# Altium PCB MIRA220CSP.PcbDoc (continued)
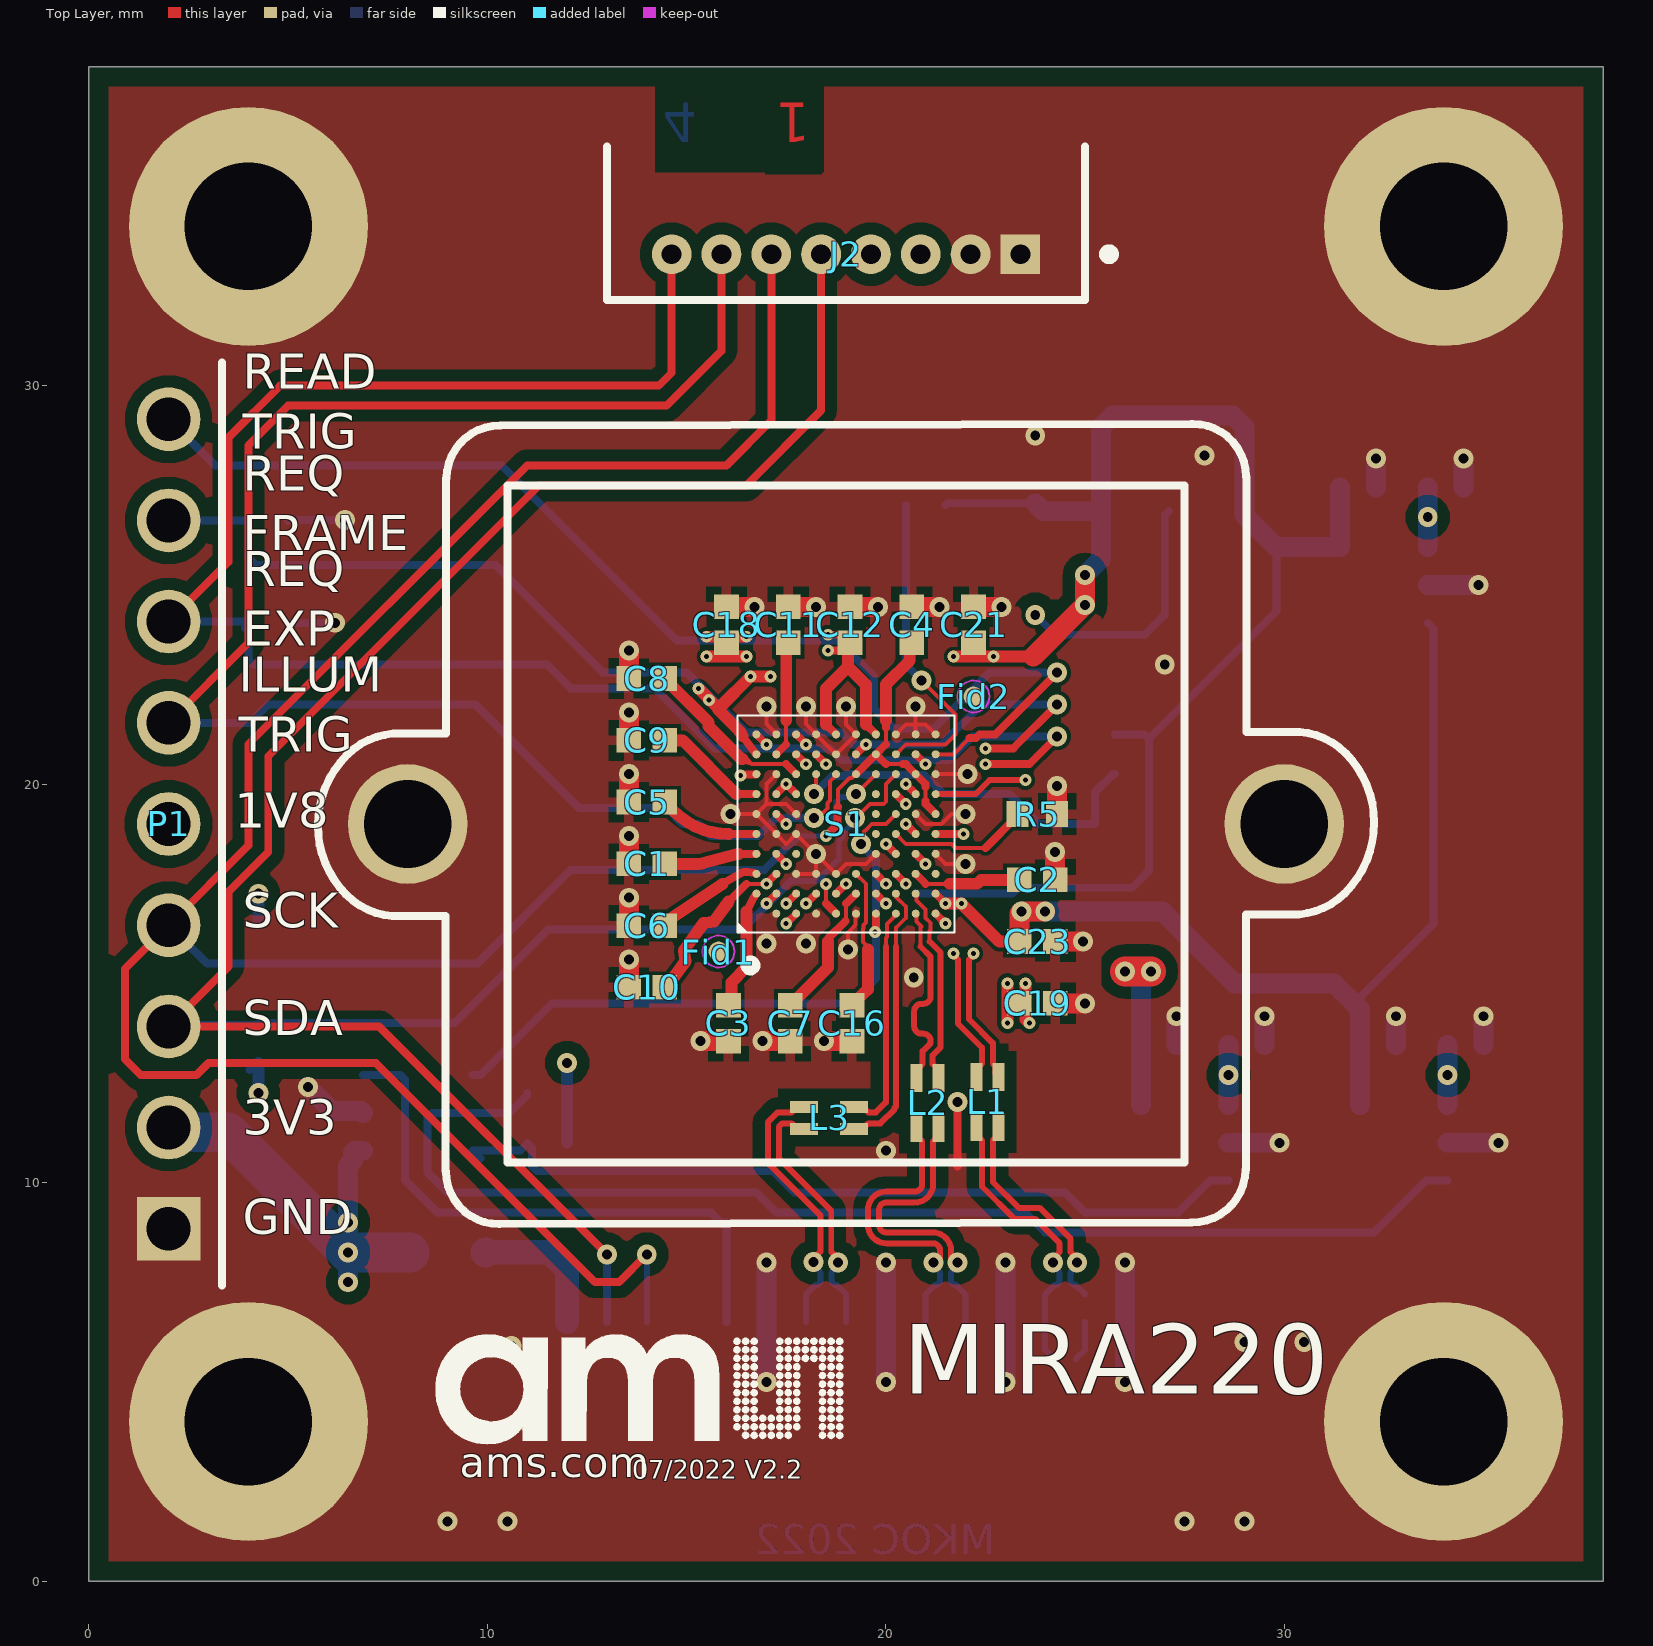
[diagram p0: Top Layer view]
## Footprints (in the part's own frame and the unit in brackets; to place one, negate y for a bottom-side part, rotate by r counter-clockwise, add the part's x,y. Pads: shape width x height; smd on the part's side, far side on the other; paste and mask are expansions set on the pad)
2.5X2_OSC [mm] "Epson SG-211 series"
  rect 1.1x0.9 smd: 1(-0.85,-0.65) 2(0.85,-0.65) 3(0.85,0.65) 4(-0.85,0.65)
  silkscreen extent -1.8,-1.6 1.25,1, body extent -1.25,-1 1.25,1, height 0.79
61300911121 [mm] "Pin Header, pitch 2.54 mm, THT, Vertical, single row, 9p"
  rect 1.6x1.6 hole 1.1: 1(-10.16,0)
  round 1.6 hole 1.1: 2(-7.62,0) 3(-5.08,0) 4(-2.54,0) 5(0,0) 6(2.54,0) 7(5.08,0) 8(7.62,0) 9(10.16,0)
  silkscreen extent -11.58,-1.35 11.58,-1.35, body extent -11.43,-1.27 11.43,1.27, height 8.57
CAPC0402_N [mm]
  rect 0.62x0.62 smd: 1(-0.45,0) 2(0.45,0)
  body extent -0.5,-0.25 0.5,0.25, height 0.5
DBV0006A_N [mm] "SOT23, 6-Leads, Body 3.05x1.75mm, Pitch 0.95mm, IPC Medium Density"
  rrect17% 1x0.6 smd: 1(-1.375,0.95) 2(-1.375,0) 3(-1.375,-0.95) 4(1.375,-0.95) 5(1.375,0) 6(1.375,0.95)
  silkscreen extent -1.5,-1.55 0.5,1.92, body extent -1.42,-1.46 1.42,1.46, height 1.11
FIDUCIAL [mm]
  round 0.5 smd paste-0.25 mask+0.2: 0(0,0)
  Top Layer keep-out circle w0.05: c0,0 r0.4
FP-53048-0810-MFG [mm]
  rect 1x1 hole 0.5 paste-1000 mask+0: 1(-4.375,1.7)
  round 1 hole 0.5 paste-1000 mask+0: 2(-3.125,1.7) 3(-1.875,1.7) 4(-0.625,1.7) 5(0.625,1.7) 6(1.875,1.7) 7(3.125,1.7) 8(4.375,1.7)
  silkscreen extent -6.73,-1 6,2.85, body extent -5.87,-2.75 5.87,2.75, height 3.7
FP-DBV0005A-IPC_B [mm]
  rect 1.505x0.572 smd paste+0 mask+0: 1(-1.1,0.95)
  rrect100% 1.505x0.572 smd paste+0 mask+0: 2(-1.1,0) 3(-1.1,-0.95) 4(1.1,-0.95) 5(1.1,0.95)
  silkscreen extent -2.65,-1.7 1.4,1.7, body extent -1.4,-1.45 1.4,1.45, height 1.45
FP-DLP11S-MFG [mm]
  rect 0.7x0.3 smd paste+0 mask+0: 1(-0.625,0.275) 2(0.625,0.275) 3(0.625,-0.275) 4(-0.625,-0.275)
  body extent -1.07,-0.65 1.07,0.65, height 0.25
MIRA220CSP [mm]
  round 0.2 smd: A2(-2.25,1.75) A3(-2.25,1.25) A4(-2.25,0.75) A5(-2.25,0.25) A6(-2.25,-0.25) A7(-2.25,-0.75) A8(-2.25,-1.25) A9(-2.25,-1.75) A10(-2.25,-2.25) B1(-1.75,2.25) B2(-1.75,1.75) B3(-1.75,1.25) B4(-1.75,0.75) B5(-1.75,0.25) B6(-1.75,-0.25) B7(-1.75,-0.75) B8(-1.75,-1.25) B9(-1.75,-1.75) B10(-1.75,-2.25) C1(-1.25,2.25) C2(-1.25,1.75) C3(-1.25,1.25) C4(-1.25,0.75) C5(-1.25,0.25) C6(-1.25,-0.25) C7(-1.25,-0.75) C8(-1.25,-1.25) C9(-1.25,-1.75) C10(-1.25,-2.25) D1(-0.75,2.25) D2(-0.75,1.75) D3(-0.75,1.25) D7(-0.75,-0.75) D8(-0.75,-1.25) D9(-0.75,-1.75) D10(-0.75,-2.25) E1(-0.25,2.25) E2(-0.25,1.75) E3(-0.25,1.25) E7(-0.25,-0.75) E8(-0.25,-1.25) E9(-0.25,-1.75) E10(-0.25,-2.25) F1(0.25,2.25) F2(0.25,1.75) F3(0.25,1.25) F7(0.25,-0.75) F8(0.25,-1.25) F9(0.25,-1.75) F10(0.25,-2.25) G1(0.75,2.25) G2(0.75,1.75) G3(0.75,1.25) G7(0.75,-0.75) G8(0.75,-1.25) G9(0.75,-1.75) G10(0.75,-2.25) H1(1.25,2.25) H2(1.25,1.75) H3(1.25,1.25) H4(1.25,0.75) H5(1.25,0.25) H6(1.25,-0.25) H7(1.25,-0.75) H8(1.25,-1.25) H9(1.25,-1.75) H10(1.25,-2.25) J1(1.75,2.25) J2(1.75,1.75) J3(1.75,1.25) J4(1.75,0.75) J5(1.75,0.25) J6(1.75,-0.25) J7(1.75,-0.75) J8(1.75,-1.25) J9(1.75,-1.75) J10(1.75,-2.25) K1(2.25,2.25) K2(2.25,1.75) K3(2.25,1.25) K4(2.25,0.75) K5(2.25,0.25) K6(2.25,-0.25) K7(2.25,-0.75) K8(2.25,-1.25) K9(2.25,-1.75) K10(2.25,-2.25)
  silkscreen extent -3.67,-2.72 2.72,2.73, body extent -2.73,-2.73 2.73,2.73, height 0.8
RESC0402_N [mm]
  rect 0.55x0.65 smd: 1(-0.5,0) 2(0.5,0)
  body extent -0.5,-0.25 0.5,0.25, height 0.36
RESC0805_N [mm] "Chip Resistor, Body 2.0x1.3mm, IPC Medium Density"
  rect 1.05x1.4 smd: 1(-0.95,0) 2(0.95,0)
  body extent -1,-0.62 1,0.63, height 0.61
TE_1-84952-5 [mm]
  rect 0.61x2 smd: 1(-7,0) 2(-6,0) 3(-5,0) 4(-4,0) 5(-3,0) 6(-2,0) 7(-1,0) 8(0,0) 9(1,0) 10(2,0) 11(3,0) 12(4,0) 13(5,0) 14(6,0) 15(7,0)
  rect 2.68x3.6 smd: S1(-9.99,-2.8) S2(9.99,-2.8)
  body extent -11.48,-6.45 11.44,0.09, height 2.55
TP_075mm [mm]
  round 0.75 smd paste-2: 1(0,0)

## Part data
C1 C2 C3 C4 C5 C6 C7 C8 C9 C10 C13 C14 C15 C17 C18 C19 C20 C21 C22 C23 C24: library part Open[[/\]]Open, "GRM155R60J475ME47D Capacitor 4.7uF, 6.3V, X5R, 0402, ±10% Tolerance,", Case-EIA=0402, Dielectric=X5R, Manufacturer=Murata, Part Number=GRM155R60J475ME47D, Rated Voltage=6.3, Tolerance=±10%, Componenttype=Capacitor, Technology=SMT
C11: library part Open[[/\]]Open, "GRM155R60J475ME47D Capacitor 4.7uF, 6.3V, X5R, 0402, ±10% Tolerance,", Case-EIA=0402, Dielectric=X5R, Manufacturer=Murata, Part Number=GRM155R60J475ME47D, Rated Voltage=6.3, Supplier Part Number 1=490-5915-1-ND, Tolerance=±10%, Componenttype=Capacitor, Supplier 1=Digi-Key, Technology=SMT
C12: library part Open[[/\]]Open, "GRM155R60J475ME47D Capacitor 4.7uF, 6.3V, X5R, 0402, ±10% Tolerance,", Case-EIA=0402, Dielectric=X7R, Manufacturer=Open, Part Number=GRM155R60J475ME47D, Rated Voltage="16 V", Tolerance=±10%, Component=Open_±10%_0402__Open, Componenttype=Capacitor, Technology=SMT, Temperaturerating=X7R
C16: library part Open[[/\]]Open, "GRM155R70J105KA12J, Capacitor  0402, ±10% Tolerance, 10V, 1uF", Case-EIA=0402, Manufacturer=Murata, Part Number=GRM155R70J105KA12J, Supplier Part Number 1=490-13339-2-ND, Componenttype=Capacitor, Supplier 1=Digi-Key
Fid1 Fid2: "Alignment feature for PCB Assembly", Part Number=NA, Component=Fiducial, Componenttype=Fiducial
J1: "Conn FPC Connector SKT 15 POS 1mm Solder RA SMD T/R", Package=None, Supplier Part Number 1=A101391CT-ND, Availability=Unavailable, DigiKey-Purchase-URL=https://snapeda.com/shop?store=DigiKey&id=817662, EU_RoHS_Compliance=Compliant, MF="TE Connectivity", Mouser-Purchase-URL=https://snapeda.com/shop?store=Mouser&id=817662, MP=1-84952-5, Price=None, SnapEDA_Link=https://www.snapeda.com/parts/1-84952-5/TE%20Connectivity%20AMP%20Connectors/view-part/817662/?ref=snap, Supplier 1=Digi-Key
J2: library part CMP-04776-000035-1, "CONN HEADER R/A 8POS 1.25MM", Current Rating=1A, Manufacturer=Molex, Temperature="-40°C to +85°C", Temperature Range High=+85°C, Temperature Range Low=-40°C, Voltage Rating=125V, Automotive=No, Category=Conn, ComponentLink2Description=Datasheet, ComponentLink2URL=https://upverter.com/datasheet/dfdcdbc1139de5bf0e8fc2847cd2afe73073fd55.pdf, Conn Gender=Male, Conn Orientation="Right Angle", Contact Material=Tin, Device Class L1=Connectors, Device Class L2="Headers and Wire Housings", Device Class L3=unset, Digikey Description="CONN HEADER R/A 8POS 1.25MM", Footprint Url=https://www.molex.com/pdm_docs/sd/530480810_sd.pdf, Height=3.7mm, Lead Free=Yes, Manufacturer Part Number=53048-0810, Mouser Description="Headers & Wire Housings RIGHT ANGLE HDR 8P", Number Of Contacts=8, Number Of Rows=1, Octopart=https://octopart.com/53048-0810-molex-276821, Package=53048-0810, Pitch=1.25mm, RoHS=TRUE
L1 L2: library part CMP-2000-06161-2, "Common Mode Choke, 0504, 90Ω @ 100MHz, 1.88Ω, 20%, 150mA", Case Code (Imperial)=0504, Case Code (Metric)=1210, Current=150mA, DC Resistance (DCR)=1.5R, Max Operating Temperature=85°C, Min Operating Temperature=-40°C, Package Quantity=1, Test Frequency=100MHz, Tolerance=20%, Voltage Rating=5V, Case/Package=0504, Current Rating=150mA, DC Current=150mA, Depth=1mm, Height=0.82mm, Impedance=90R, Lead Free="Lead Free", Length=1.25mm, Max DC Current=150mA, Military Standard=Not, Mount="Surface Mount", Number of Lines=2, Packaging="Tape and Reel", Part Number=DLP11SN900HL2L, Radiation Hardening=No, REACH SVHC="No SVHC", Shielding=Shielded, Termination=SMD/SMT, Width=0.039inch
L3: library part CMP-2000-06161-2, "Common Mode Choke, 0504, 90Ω @ 100MHz, 1.88Ω, 20%, 150mA", Case Code (Imperial)=0504, Case Code (Metric)=1210, Current=150mA, DC Resistance (DCR)=1.5R, Max Operating Temperature=85°C, Min Operating Temperature=-40°C, Package Quantity=1, Supplier Part Number 1=490-5143-2-ND, Test Frequency=100MHz, Tolerance=20%, Voltage Rating=5V, Case/Package=0504, Current Rating=150mA, DC Current=150mA, Depth=1mm, Height=0.82mm, Impedance=90R, Lead Free="Lead Free", Length=1.25mm, Max DC Current=150mA, Military Standard=Not, Mount="Surface Mount", Number of Lines=2, Packaging="Tape and Reel", Part Number=DLP11SN900HL2L, Radiation Hardening=No, REACH SVHC="No SVHC", Shielding=Shielded, Supplier 1=Digi-Key, Termination=SMD/SMT, Width=0.039inch
P1: library part CMP-1502-01080-1, "THT Vertical Pin Header WR-PHD, Pitch 2.54 mm, Single Row, 9 pins", Contact Resistance=20mOhm, Manufacturer="Wurth Elektronik", Operating Temperature=-40to105degC, Rated Current=3A, Withstanding Voltage=500VAC, Working Voltage=250VAC, Datasheet URL=https://katalog.we-online.de/em/datasheet/6130xx11121.pdf, Gender=Male, Manufacturer URL=http://www.we-online.de, Mounting Technology=THT, Orientation=Vertical, Package Reference=61300911121, Packaging=Bag, Part Number=61300911121, Pin Number=9, Pitch=2.54mm, Publisher=WurthElektronik, Row Number=Single
R1: library part MCWR08X0000FTL, "Resistor 0R 0805", Manufacturer=Multicomp, Powerrating=125mW, Supplier Part Number 1=2747563, Tolerance=±1%, Component=0R_±1%_0805_125mW_MCWR08X0000FTL, Componenttype=Resistor, Part Number=MCWR08X0000FTL, Supplier 1=Farnell
R2 R3 R4 R5 R6 R7 R8 R9 R10 R11: library part ERA2AEB123X[[/\]]PANASONIC, "Resistor 12K 0402, ±0.1% Tolerance, 63mW max Pd, 50V", Manufacturer=PANASONIC, Part Number=ERA2AEB123X, Powerrating=63mW, Supplier Part Number 1=P12KDCCT-ND, Tolerance=±0.1%, Voltagerating=50V, Component=12K_±0.1%_0402_63mW_ERA2AEB123X, Componenttype=Resistor, Supplier 1=Digi-key
R12 R13: library part ERA2AEB123X[[/\]]PANASONIC, "Resistor 2K 0402, ±0.1% Tolerance, 63mW max Pd, 50V", Manufacturer=PANASONIC, Part Number=ERA2AEB123X, Powerrating=63mW, Supplier Part Number 1=P12KDCCT-ND, Tolerance=±0.1%, Voltagerating=50V, Component=12K_±0.1%_0402_63mW_ERA2AEB123X, Componenttype=Resistor, Supplier 1=Digi-key
S1: library part MIRA_CSP, "Mira220-2QM1WA", Part Number=Mira220-2QM1WA
TP1 TP2: library part 5001, "Test Point, various footprints"
U1 U2: library part LDO-STO23-5, "IC REG LINEAR fixed Voltage, SOT23-5 / SOT-25 / SC74A package", Mount="Surface Mount"
  U1: Part Number=TCR3DF25LM
U3: library part LDO-STO23-5, "IC REG LINEAR 1.35V, SOT23-5 ; 200mA", Mount="Surface Mount"
U4: library part CMP-0063-01015-4, "Power Sequencer, 6-pin SOT-23, Pb-Free, 1000 Reel", Manufacturer="Texas Instruments", PackageTopMarking=F20A*XTT, PowerWise=N, Code_IPC=SOT26A-6, Code_JEDEC=MO-178-AB, ComponentLink1Description="Datasheet URL", ComponentLink1URL=http://www.ti.com/general/docs/lit/getliterature.tsp?genericPartNumber=LM3880&fileType=pdf, CompType=MiscPower, High-Reliability=Y, PackageDescription="Molded SOT-23, .115 x .063 x .040in Body, 6 Lead, .0375in in Pitch", PackageReference=DBV0006A, PartNumber=LM3880MF-1AA/NOPB, PinCount=6, RoHS=Y
X1: library part SG-211SEE38.4000MT3, Manufacturer=Epson, Supplier Part Number 1=SER3703CT-ND, Tolerance=±15ppm, Component=SG-211SEE38.4000MT3, Componenttype=Oscillator, Part Number=SG-211SEE38.4000MT3, Supplier 1=Digi-Key

## Free pads (board coordinates)
  round 6 hole 3.2 mask+0.2: M(4,4) M(4,34) M(34,4) M(34,34)
  round 3 / inner round 3 / far side round 5 hole 2.2 paste-10 mask+0.1: M(8,19) M(30,19)
  round 0.16 on Bottom Overlay paste-1 mask+0: ""(20.469,34.556) ""(20.469,34.766) ""(20.469,34.976) ""(20.469,35.186) ""(20.469,35.396) ""(20.469,35.606) ""(20.469,35.816) ""(20.469,36.026) ""(20.469,36.236) ""(20.469,36.446) ""(20.469,36.656) ""(20.469,36.866) ""(20.679,34.556) ""(20.679,34.766) ""(20.679,34.976) ""(20.679,35.186) ""(20.679,35.396) ""(20.679,35.606) ""(20.679,35.816) ""(20.679,36.026) ""(20.679,36.236) ""(20.679,36.446) ""(20.679,36.656) ""(20.679,36.866) ""(20.889,34.556) ""(20.889,34.766) ""(20.889,34.976) ""(20.889,35.186) ""(20.889,35.396) ""(20.889,35.606) ""(20.889,35.816) ""(20.889,36.026) ""(20.889,36.236) ""(20.889,36.446) ""(20.889,36.656) ""(20.889,36.866) ""(21.099,36.446) ""(21.099,36.656) ""(21.099,36.866) ""(21.309,36.446) ""(21.309,36.656) ""(21.309,36.866) ""(21.519,34.766) ""(21.519,34.976) ""(21.519,35.186) ""(21.519,35.396) ""(21.519,35.606) ""(21.519,35.816) ""(21.519,36.026) ""(21.519,36.236) ""(21.519,36.446) ""(21.519,36.656) ""(21.519,36.866) ""(21.729,34.556) ""(21.729,34.766) ""(21.729,34.976) ""(21.729,35.186) ""(21.729,35.396) ""(21.729,35.606) ""(21.729,35.816) ""(21.729,36.026) ""(21.729,36.236) ""(21.729,36.446) ""(21.729,36.656) ""(21.729,36.866) ""(21.939,34.556) ""(21.939,34.766) ""(21.939,34.976) ""(21.939,35.186) ""(21.939,35.396) ""(21.939,35.606) ""(21.939,35.816) ""(21.939,36.026) ""(21.939,36.236) ""(21.939,36.446) ""(21.939,36.656) ""(21.939,36.866) ""(22.149,34.556) ""(22.149,34.766) ""(22.149,34.976) ""(22.149,35.186) ""(22.149,35.396) ""(22.149,35.606) ""(22.149,35.816) ""(22.149,36.026) ""(22.149,36.236) ""(22.149,36.446) ""(22.149,36.656) ""(22.149,36.866) ""(22.359,34.556) ""(22.359,34.766) ""(22.359,34.976) ""(22.569,34.556) ""(22.569,34.766) ""(22.569,34.976) ""(22.779,34.556) ""(22.779,34.766) ""(22.779,34.976) ""(22.779,35.186) ""(22.779,35.396) ""(22.779,35.606) ""(22.779,35.816) ""(22.779,36.026) ""(22.779,36.236) ""(22.779,36.446) ""(22.779,36.656) ""(22.779,36.866) ""(22.989,34.556) ""(22.989,34.766) ""(22.989,34.976) ""(22.989,35.186) ""(22.989,35.396) ""(22.989,35.606) ""(22.989,35.816) ""(22.989,36.026) ""(22.989,36.236) ""(22.989,36.446) ""(22.989,36.656) ""(22.989,36.866) ""(23.199,34.766) ""(23.199,34.976) ""(23.199,35.186) ""(23.199,35.396) ""(23.199,35.606) ""(23.199,35.816) ""(23.199,36.026) ""(23.199,36.236) ""(23.199,36.446) ""(23.199,36.656) ""(23.199,36.866)

## Via types
v1: diameter 0.5, hole 0.25, Top Layer to Bottom Layer, 72 vias
v2: diameter 0.3, hole 0.125, Top Layer to Layer 2, tented both sides, 52 vias
v3: diameter 0.5, hole 0.25, Top Layer to Bottom Layer, tented top, 25 vias

## Nets (pads, with @x,y where several pads share a name; then routed paths per layer and width w, separated by ;. In a path a pad name is that pad's centre, name@x,y a point inside that pad or via, vN(x,y) a via of type N, cw(c..) or ccw(c..) an arc to the next point about the centre after c; other vN are vias at no path point)
ADDR0: R8.1 R10.2 S1.H4 | length 9.8
  Top Layer w0.1: v3(18.2,19.75) 18.25,19.8 S1.H4
  Bottom Layer w0.2: v3(18.2,19.75) 18.65,20.2 18.993,20.2 19.043,20.25 19.457,20.25 19.482,20.225 20.971,20.225 21.446,19.75 23.1,19.75 23.85,19 R10.2 25.25,19.8 25.7,20.25 R8.1
ADDR1: R9.1 R11.2 S1.J8 | length 8
  Top Layer w0.1: S1.J8 20.5,21 21.5,21 21.75,21.25 21.75,21.75 v1(20.9,22.6)
  Bottom Layer w0.2: R9.1 R11.2 20.5,23 v1(20.9,22.6)
ARST_B: R7.2 S1.F8 U4.4 | length 16
  Top Layer w0.1: v3(19.376,18.5) 19.452,18.577 19.452,18.806 19.5,18.854 19.646,19 20,19 S1.F8
  Bottom Layer w0.2: U4.4 9.825,12.7 11.625,14.5 19.133,14.5 19.75,15.117 R7.2 19.75,18.096 19.376,18.471 v3(19.376,18.5)
CAM_ENABLE: J1.11 TP1.1 U4.3 | length 14.6
  Bottom Layer w0.2: U4.3 7.816,12.7 7.933,12.583 7.933,10.067 8.75,9.25 15.608,9.25 15.858,9 TP1.1 J1.11
CEXT: C16.2 S1.C6 | length 3.6
  Top Layer w0.1: S1.C6 19.5,17.5 19.5,16.524 19.442,16.466 19.442,16.381 19.428,16.367 19.428,16.038 19.55,15.916 19.55,15.85
  Top Layer w0.3: C16.2 19.55,14.85 19.55,15.85
CLK384: S1.G10 TP2.1 X1.3 | length 13
  Top Layer w0.15: S1.G10 22.25,19.75 22.6,20.1 v2(23.5,20.1) ; v1@23.75,24.155 v1(23.75,24.25)
  Layer 2 w0.2: v2(23.5,20.1) 23.5,24 v1(23.75,24.25)
  Bottom Layer w0.2: v1(23.75,24.25) 24.25,23.75 26.5,23.75 27,24.25 TP2.1 27,26.75 X1.3
CON_MIPI_CLK_N: J1.8 L3.4 | length 6.4
  Top Layer w0.15: L3.4@17.975,11.35 17.775,11.35 17.637,11.488 17.4,11.488 17.313,11.4 17.313,10.608 18.63,9.291 18.63,8.263 18.8,8.093 v1(18.8,8)
  Bottom Layer w0.15: v1@18.8,7.905 18.638,7.743 18.638,7.513 18.725,7.425 18.77,7.425 19,7.195 J1.8
CON_MIPI_CLK_P: J1.9 L3.1 | length 6.9
  Top Layer w0.15: L3.1@17.975,11.9 17.775,11.9 17.637,11.763 17.286,11.763 17.038,11.514 17.038,10.494 18.355,9.177 18.355,8.266 18.18,8.091 v1(18.18,8.003)
  Bottom Layer w0.15: J1.9 18,7.195 18.23,7.425 18.275,7.425 18.363,7.513 18.363,7.743 v1@18.2,7.905
CON_MIPI_D0_N: J1.2 L1.4 | length 6.7
  Top Layer w0.15: L1.4 22.825,11.2 22.688,11.062 22.688,10.016 23.337,9.367 23.86,9.367 24.638,8.589 24.638,8.257 24.8,8.095 v1(24.8,8)
  Bottom Layer w0.15: J1.2@24.77,5.575 25,5.805 J1.2 ; v1(24.8,8) 24.8,7.905 24.638,7.743 24.638,7.513 24.725,7.425 24.77,7.425 J1.2@25,7.195
CON_MIPI_D0_P: J1.3 L1.1 | length 7.6
  Top Layer w0.15: L1.1 22.275,11.2 22.413,11.062 22.413,9.903 23.223,9.092 23.746,9.092 24.363,8.475 24.363,8.257 24.2,8.095 v1(24.2,8) ; v1@24.18,8.003 v1@24.18,8.091
  Bottom Layer w0.15: v1@24.18,7.923 v1@24.18,8.003 ; v1(24.2,8) 24.2,7.905 24.363,7.743 24.363,7.513 24.275,7.425 24.23,7.425 24,7.195 J1.3 24,5.805 J1.3@24.23,5.575
CON_MIPI_D1_N: J1.5 L2.4 | length 8.1
  Top Layer w0.15: L2.4 21.325,11.175 21.188,11.037 21.188,10.75 21.188,9.963 cw(c20.725,9.963) 20.725,9.501 20.015,9.501 ccw(c20.015,9.313) 19.827,9.313 19.827,8.938 ccw(c20.015,8.938) 20.015,8.751 21.175,8.751 cw(c21.175,8.288) 21.638,8.288 21.638,8.076 21.713,8 v1(21.8,8) v1@21.8,8.093
  Bottom Layer w0.15: v1@21.733,7.933 v1(21.8,8) 21.8,7.905 21.638,7.743 21.638,7.513 21.725,7.425 21.77,7.425 22,7.195 J1.5
CON_MIPI_D1_P: J1.6 L2.1 | length 8.2
  Top Layer w0.15: L2.1 20.775,11.175 20.913,11.037 20.913,10.75 20.913,9.963 cw(c20.725,9.963) 20.725,9.776 20.015,9.776 ccw(c20.015,9.313) 19.552,9.313 19.552,8.938 ccw(c20.015,8.938) 20.015,8.476 21.175,8.476 cw(c21.175,8.288) 21.362,8.288 21.362,8.076 21.287,8 v1(21.2,8) ; v1@21.18,8.003 v1@21.18,8.091
  Bottom Layer w0.15: J1.6 21,7.195 21.23,7.425 21.275,7.425 21.362,7.513 21.362,7.743 21.2,7.905 v1(21.2,8) v1@21.267,7.933 ; v1@21.18,7.923 v1@21.18,8.003
EN_LDO_VDD25: R4.2 U1.3 U4.6 | length 20.7
  Bottom Layer w0.2: U4.6@9.825,10.6 U4.6 10.825,10.8 11,10.975 R4.2 11.125,10.875 11.125,10.402 11.242,10.285 17.168,10.285 17.703,9.75 24.5,9.75 25,9.25 27.334,9.25 28.134,10.05 U1.3
EN_LDO_VDD135: R6.2 U3.3 U4.5 | length 30.9
  Bottom Layer w0.2: R6.2 11,12.2 10.55,11.75 U4.5 8.617,11.75 8.5,11.633 8.5,10.25 9,9.75 16.75,9.75 17.25,9.25 23.5,9.25 24,8.75 32.25,8.75 33.55,10.05 U3.3
GND: C1.1 C2.2 C3.1 C4.2 C5.1 C6.1 C7.2 C8.1 C9.2 C10.1 C11.2 C12.1 C13.1 C14.1 C15.1 C16.1 C17.1 C18.1 C19.1 C20.1 C21.1 C22.1 C23.1 C24.1 J1.1 J1.4 J1.7 J1.10 J1.S1 J1.S2 J2.1 J2.2 P1.1 pad.M R2.2 R3.2 R5.1 R10.1 R11.1 S1.A2 S1.A4 S1.A6 S1.C3 S1.C4 S1.C5 S1.D7 S1.D10 S1.E2 S1.E3 S1.F1 S1.F3 S1.F9 S1.H2 S1.H10 S1.J5 S1.K2 S1.K4 S1.K6 S1.K8 S1.K9 S1.K10 U1.2 U2.2 U3.2 U4.2 X1.2 | length 56.3
  Top Layer w0.1: v3(16.1,19.25) S1.F1 ; v3(17,21.95) 17,21.507 17.25,21.257 S1.K2 ; S1.H2 17,20 17,19.5 ; S1.C3 S1.C4 ; S1.F3 17.5,19.5 17,19.5 ; v3(18,21.95) 18,21.507 18.25,21.257 S1.K4 S1.J5 S1.K6 19,21.5 v3(19,21.95) ; S1.C4@18.277,17.75 S1.C4 ; v3(19.05,15.85) 19.05,16.272 19.242,16.464 19.242,16.742 S1.A6 ; S1.D7 19.5,18 19,18 S1.C5 v3(18.25,18.25) ; S1.K8 20.5,21.5 20.75,21.5 ; S1.F9 21,19 21.4,19 21.65,19.25 v3(22,19.25) ; S1.K9 20.75,21.5 ; v3(20.75,21.95) 20.75,21.5 ; S1.D10 21.5,18 v3(22,18) ; S1.H10 v3(22.05,20.25) ; S1.K10 21,21.5 20.75,21.5 ; S1.F1 17,19.5 ; S1.F1 S1.E2 17.5,18.5 S1.E3 v3(18.25,18.25) ; S1.C4 v3(18.25,18.25)
  Top Layer w0.2: 21.8,10.4 v1(21.8,12.025)
  Top Layer w0.5: C10.1 v1(13.55,15.6) ; C6.1 v1(13.55,17.15) ; C1.1 v1(13.55,18.7) ; C5.1 v1(13.55,20.25) ; C9.2 v1(13.55,21.8) ; C8.1 v1(13.55,23.35) ; v1(15.35,13.55) C3.1 ; C18.1 v1(16.7,24.45) ; v1(16.9,13.55) C7.2 ; C11.2 v1(18.25,24.45) ; v1(18.45,13.55) C16.1 ; C12.1 v1(19.8,24.45) ; C4.2 v1(21.35,24.45) ; C21.1 v1(22.9,24.45) ; C19.1 v1@24.95,14.5 ; C23.1 v1(24.95,16.05) ; C2.2 v1(24.25,18.3) ; R5.1 v1(24.3,19.95)
  Bottom Layer w0.2: R2.2 5.05,24.05 v1(6.175,24.05) ; R3.2 5.025,26.625 v1(6.425,26.625)
  Bottom Layer w0.5: v1(5.5,12.4) 6.1,11.8 6.825,11.8 U4.2 ; v3(17,5) J1.10 v1(17,8) ; v3(20,5) J1.7 v1(20,8) ; v3(23,5) J1.4 v1(23,8) ; v3(26,5) J1.1 v1(26,8) ; C17.1 v1(27.3,14.175) ; U1.2 v1(29.875,11) ; C13.1 v1(29.5,14.175) ; C20.1 v1(32.3,28.175) ; C22.1 v1(32.8,14.175) ; U2.2 v1(34.875,25) ; U3.2 v1(35.375,11) ; C14.1 v1(34.501,28.175) ; C15.1 v1(35,14.175)
  other v1: 9,1.5 10.5,1.5 27.5,1.5 29,1.5 30.5,6 20,10.8 25,14.5 27,23 28,28.25 23.75,28.75
  other v3: 11,4 10.6,5.9 29,6 20.7,15.15 17,16 18,16
ILLUM_TRIGGER: J2.7 P1.6 S1.H5 | length 42.4
  Top Layer w0.1: v3(18.2,19.15) 18.292,19.15 18.531,19.389 18.531,19.515 18.55,19.534 18.55,19.536 18.6,19.586 18.6,20.073 18.75,20.223 S1.H5
  Top Layer w0.2: P1.6 4,23.54 4,28.5 5,29.5 14.5,29.5 15.875,30.875 J2.7
  Bottom Layer w0.2: P1.6 4.04,21.54 4.5,22 9.7,22 12.3,19.4 14.5,19.4 14.9,19 15.3,19 15.6,18.7 16.8,18.7 17.25,19.15 v3(18.2,19.15)
MCLK_3V3: J1.12
MIPI_CLK_N: L3.3 S1.B8 | length 6.8
  Top Layer w0.1: 20.25,15.923 20.25,16.396 20.5,16.646 20.5,16.924 20.269,17.155 20.269,17.231 S1.B8
  Top Layer w0.15: L3.3@19.225,11.35 19.425,11.35 19.563,11.488 19.864,11.488 20.219,11.843 20.219,11.878 20.25,11.909 20.25,15.923
MIPI_CLK_P: L3.2 S1.A8 | length 5.8
  Top Layer w0.1: 20,15.923 20,16.139 20.028,16.167 20.028,16.493 20.231,16.696 20.231,16.731 S1.A8
  Top Layer w0.15: L3.2@19.225,11.9 19.425,11.9 19.563,11.763 19.75,11.763 20,12.012 20,15.923
MIPI_D0_N: L1.3 S1.C8 | length 6.5
  Top Layer w0.15: v2(22.2,15.75) 22.2,15.709 22.087,15.597 22.087,14.101 22.688,13.501 22.688,12.988 22.825,12.85 L1.3 ; L1.3@22.75,12.725 L1.3@22.75,12.85
  Top Layer w0.2: S1.C8 v2(20.5,17.5)
  Layer 2 w0.1: v2(20.5,17.5) 20.462,17.462 20.462,17.252 21.272,16.305 ccw(c21.5,16.5) 21.376,16.227 21.824,16.023 cw(c21.7,15.75) 21.906,15.969 21.907,15.968 ccw(c21.975,16.041) 21.915,15.96 v2(22.2,15.75)
MIPI_D0_P: L1.2 S1.C7 | length 6.3
  Top Layer w0.15: v2(21.7,15.75) 21.7,15.709 21.812,15.597 21.812,13.988 22.413,13.388 22.413,12.988 22.275,12.85 L1.2
  Top Layer w0.2: S1.C7 v2(20,17.5)
  Layer 2 w0.1: v2(20,17.5) 20.249,17.251 20.249,17.176 20.3,17.124 20.3,17.079 20.353,17.027 20.369,17.009 20.904,16.388 21.26,16.033 21.406,15.951 21.634,15.822 cw(c21.585,15.735) 21.665,15.796 v2(21.7,15.75)
MIPI_D1_N: L2.3 S1.B9 | length 5.1
  Top Layer w0.1: S1.B9@20.75,17.229 S1.B9 20.769,17.231 20.769,17.084 21,16.854 21,16.646 21.125,16.521 21.125,16.335 21.1,16.31 21.1,16.05 ; 21.35,15.8 21.375,15.775
  Top Layer w0.15: 21.1,16.05 21.35,15.8 ; L2.3 21.325,12.825 21.175,12.975 21.175,13.196 21.375,13.396 21.375,15.775
MIPI_D1_P: L2.2 S1.A9 | length 5
  Top Layer w0.1: S1.A9 20.769,16.731 20.769,16.66 20.775,16.654 20.775,16.553 20.9,16.428 20.875,16.403 20.875,15.983 20.87,15.978 20.87,15.927
  Top Layer w0.15: L2.2 20.775,12.825 20.925,12.975 20.925,13.3 21.1,13.475 21.125,13.5 21.125,13.55 ccw(c20.938,13.55) 20.938,13.738 20.898,13.738 cw(c20.898,13.925) 20.711,13.925 20.711,14.3 cw(c20.898,14.3) 20.898,14.488 20.938,14.488 ccw(c20.938,14.675) 21.125,14.675 21.125,15.076 21.125,15.671 20.87,15.927